# Altium PCB AT91-PCB.PcbDoc (part 1 of 3) (continued)
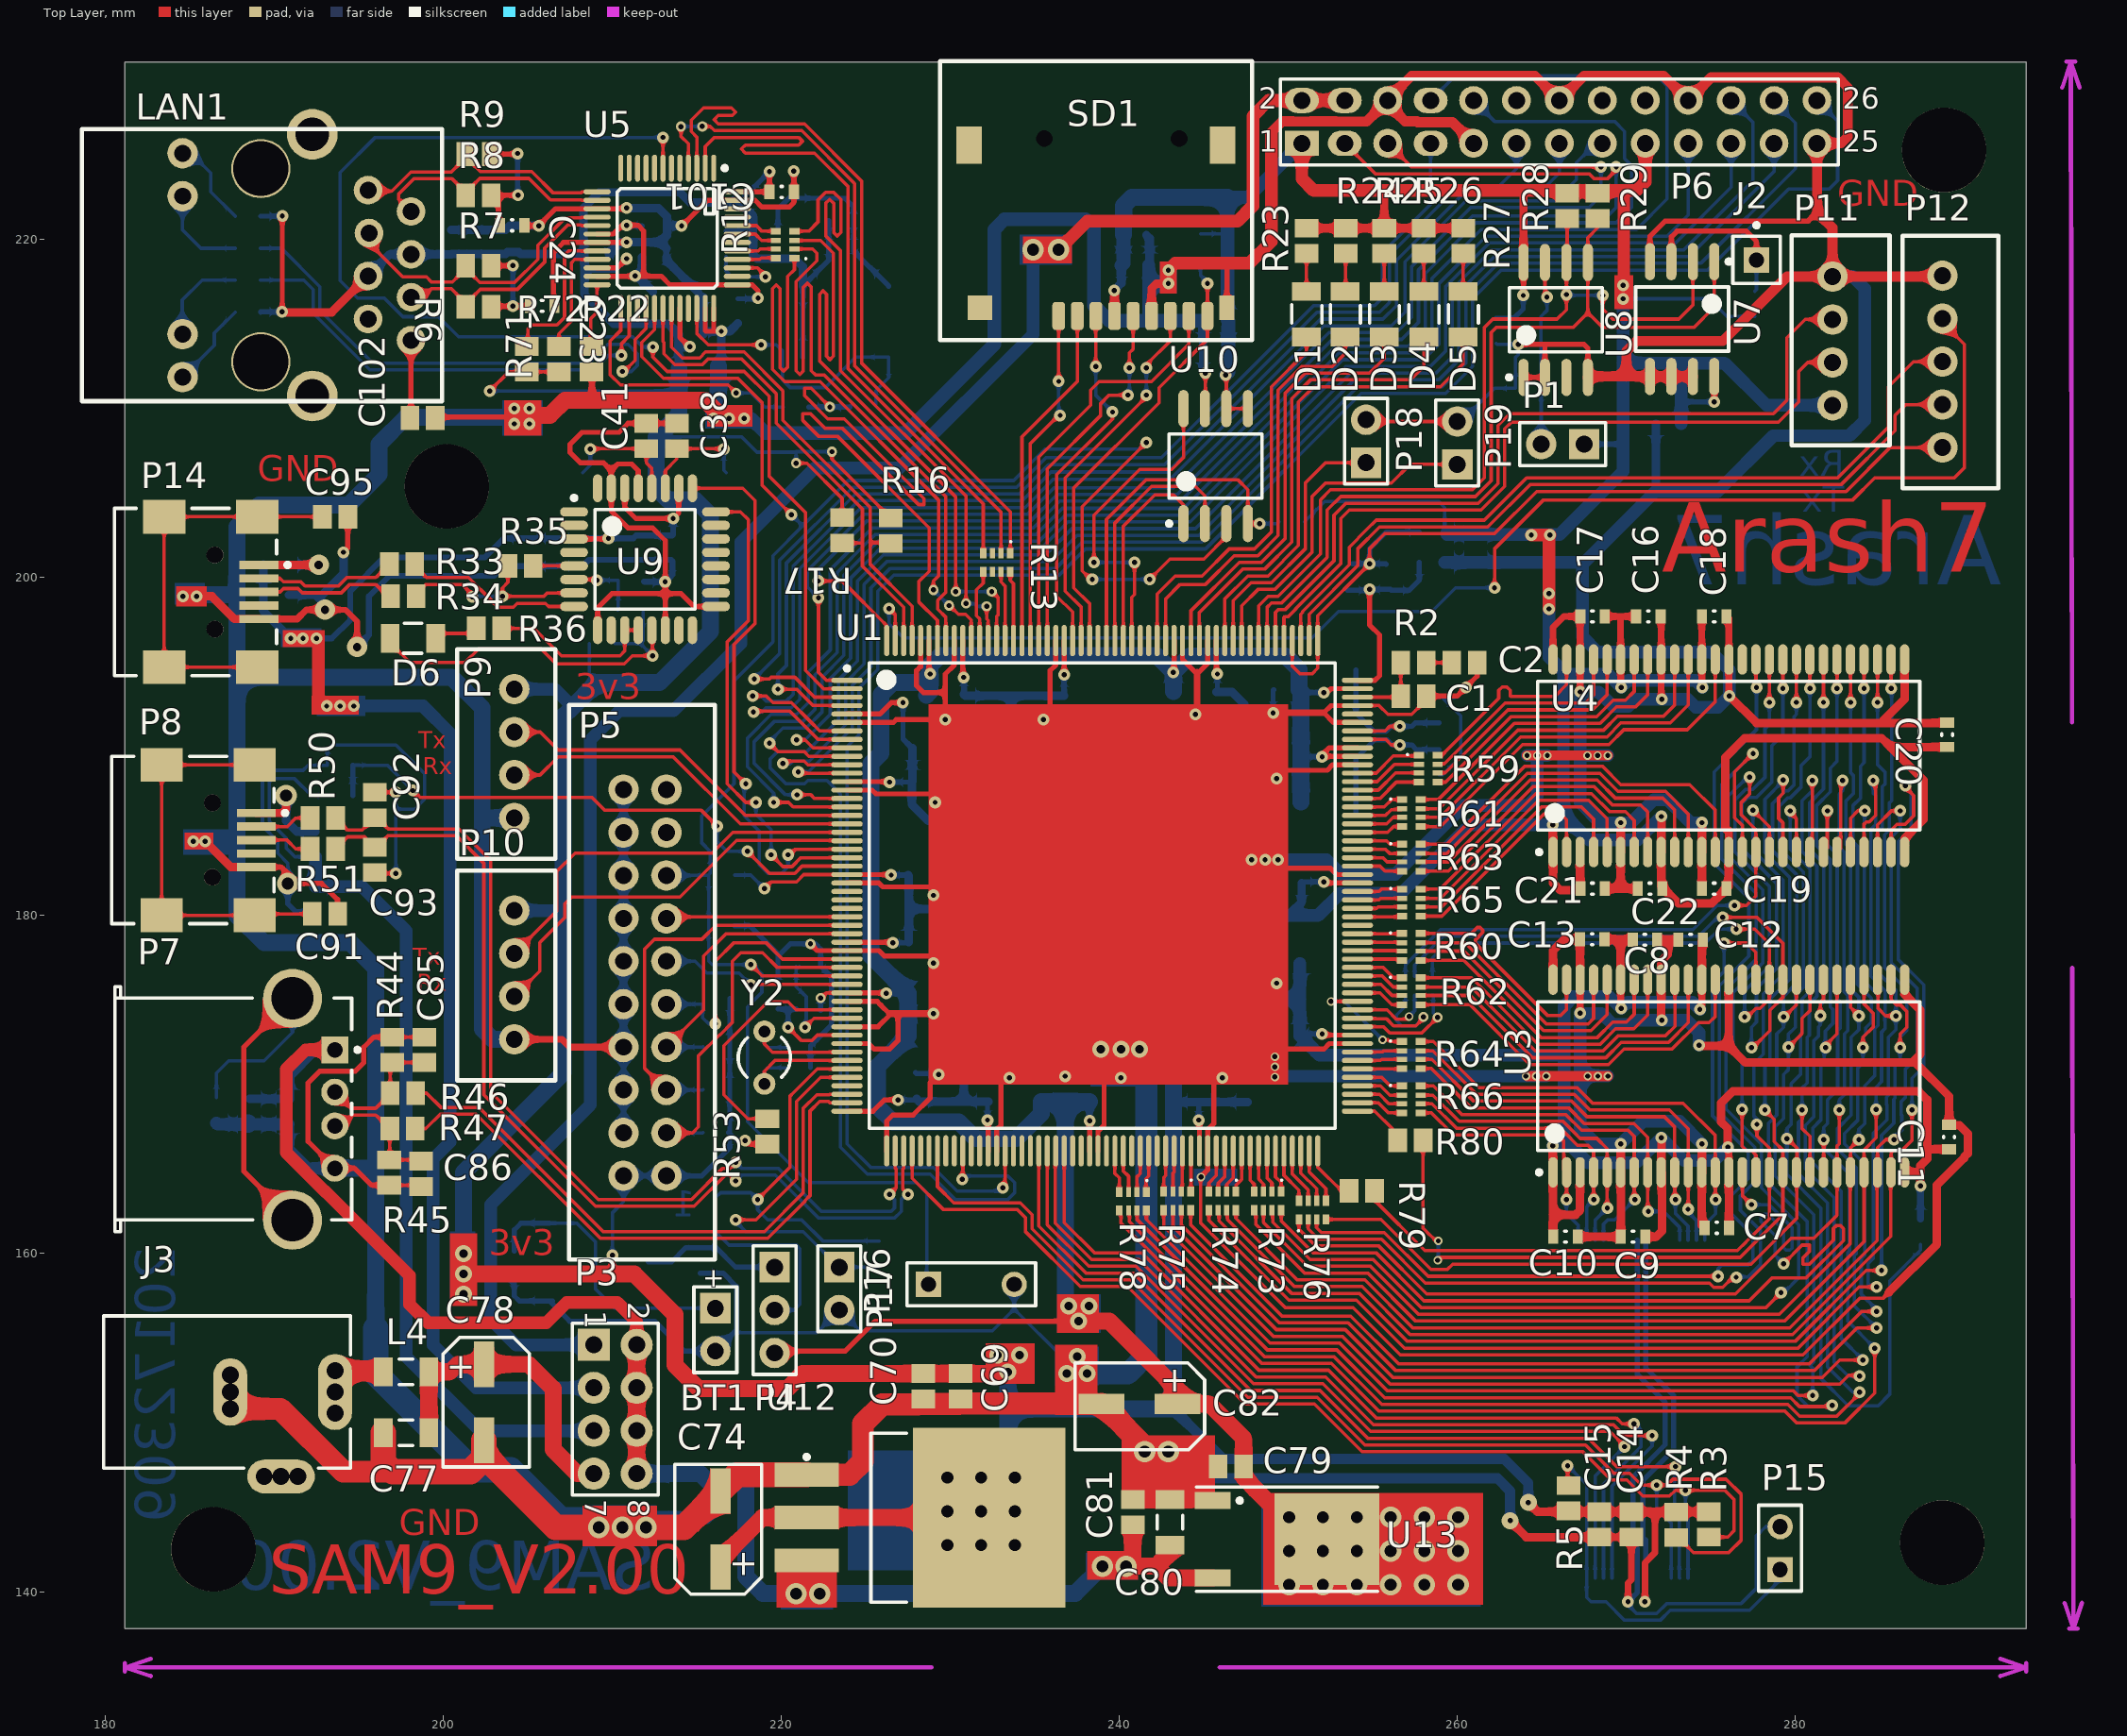
[diagram p0: Top Layer view]
## Footprints (in the part's own frame and the unit in brackets; to place one, negate y for a bottom-side part, rotate by r counter-clockwise, add the part's x,y. Pads: shape width x height; smd on the part's side, far side on the other; paste and mask are expansions set on the pad) (continued)
  silkscreen extent -4.95,-2.88 27.87,5.75, body extent -4.9,-2.8 27.8,5.7, height 8.5
LF33-TO-252 [mm]
  rect 1x2.1 smd: 1(-2.285,-3.375) 3(2.285,-3.375)
  rect 5.4x6.2 smd: 4(0,3.375)
  silkscreen extent -3.09,-4.32 3.09,6.38, body extent -3.3,-3.55 3.28,6.15, height 2.3
LQFP48 [mm] "LQFP, 48-Leads, Body 9.00x9.00mm, Pitch 0.50mm, IPC Medium Density"
  oval 1.6x0.3 smd: 1(-4.15,2.75) 2(-4.15,2.25) 3(-4.15,1.75) 4(-4.15,1.25) 5(-4.15,0.75) 6(-4.15,0.25) 7(-4.15,-0.25) 8(-4.15,-0.75) 9(-4.15,-1.25) 10(-4.15,-1.75) 11(-4.15,-2.25) 12(-4.15,-2.75) 25(4.15,-2.75) 26(4.15,-2.25) 27(4.15,-1.75) 28(4.15,-1.25) 29(4.15,-0.75) 30(4.15,-0.25) 31(4.15,0.25) 32(4.15,0.75) 33(4.15,1.25) 34(4.15,1.75) 35(4.15,2.25) 36(4.15,2.75)
  oval 0.3x1.6 smd: 13(-2.75,-4.15) 14(-2.25,-4.15) 15(-1.75,-4.15) 16(-1.25,-4.15) 17(-0.75,-4.15) 18(-0.25,-4.15) 19(0.25,-4.15) 20(0.75,-4.15) 21(1.25,-4.15) 22(1.75,-4.15) 23(2.25,-4.15) 24(2.75,-4.15) 37(2.75,4.15) 38(2.25,4.15) 39(1.75,4.15) 40(1.25,4.15) 41(0.75,4.15) 42(0.25,4.15) 43(-0.25,4.15) 44(-0.75,4.15) 45(-1.25,4.15) 46(-1.75,4.15) 47(-2.25,4.15) 48(-2.75,4.15)
  silkscreen extent -4.27,-2.95 2.95,3.52, body extent -4.5,-4.5 4.5,4.5, height 1.6
LQFP-32_N [mm] "Thin QFP, 32-Leads, Body 7x7mm, Pitch 0.8mm, IPC Medium Density"
  oval 1.65x0.55 smd: 1(-4.2,2.8) 2(-4.2,2) 3(-4.2,1.2) 4(-4.2,0.4) 5(-4.2,-0.4) 6(-4.2,-1.2) 7(-4.2,-2) 8(-4.2,-2.8) 17(4.2,-2.8) 18(4.2,-2) 19(4.2,-1.2) 20(4.2,-0.4) 21(4.2,0.4) 22(4.2,1.2) 23(4.2,2) 24(4.2,2.8)
  oval 0.55x1.65 smd: 9(-2.8,-4.2) 10(-2,-4.2) 11(-1.2,-4.2) 12(-0.4,-4.2) 13(0.4,-4.2) 14(1.2,-4.2) 15(2,-4.2) 16(2.8,-4.2) 25(2.8,4.2) 26(2,4.2) 27(1.2,4.2) 28(0.4,4.2) 29(-0.4,4.2) 30(-1.2,4.2) 31(-2,4.2) 32(-2.8,4.2)
  silkscreen extent -4.32,-2.95 2.95,3.75, body extent -3.5,-3.5 3.5,3.5, height 1.2
"MicroSD socket" [mm]
  round 0 hole 1: 1(-4.93,0) 1(3.05,0)
  rrect50% 0.75x1.65 smd: 1(2.2,10.5) 2(1.1,10.5) 3(0,10.5) 4(-1.1,10.5) 5(-2.2,10.5) 6(-3.3,10.5) 7(-4.4,10.5) 8(-5.5,10.5)
  rrect50% 0.7x1.65 smd: 9(-6.6,10.5)
  rect 0.9x1.45 smd: 10(-7.75,10)
  rect 1.5x2.2 smd: 11(-7.5,0.4) 12(7.5,0.4)
  rect 1.45x1.45 smd: 13(6.85,10)
  silkscreen extent -9.25,-4.57 9.23,11.93, body extent -8.02,-4.1 7.98,11.15, height 1.95
"Mini USB" [mm]
  rect 2.3x0.5 smd: 1(-3.362,-1.387) 2(-3.362,-0.587) 3(-3.362,0.213) 4(-3.362,1.013) 5(-3.362,1.813)
  rect 2.5x2 smd: 6(-3.262,4.663) 7(2.238,4.663) 8(-3.262,-4.237) 9(2.238,-4.237)
  round 1 hole 1 unplated: MH1(-0.762,2.413) MH2(-0.762,-1.987)
  silkscreen extent -5.19,-4.74 5.19,5.16, body extent -4.13,-4.85 5.12,5.05, height 3.93
PIN1 [mm] "Connector; Plug"
  rect 1.5x1.5 hole 0.9: 1(0,0)
  silkscreen extent -1.4,-1.4 1.4,2.17
R38 [mm] "Crystal, Thru-Hole; 2 Leads; Body 3.1 x 8.2 mm (Dia.xH)"
  round 1.3 hole 0.7: 1(0,1.55) 2(0,-1.55)
  silkscreen extent -1.55,-1.19 1.55,1.17
RJ45 [mm] "In PCB LAN connector"
  round 1.7 hole 1: 1(-4.264,-3.981) 2(-6.804,-2.721) 3(-4.318,-1.441) 4(-6.804,-0.181) 5(-4.264,1.099) 6(-6.804,2.359) 7(-4.264,3.639) 8(-6.804,4.899)
  round 3.5 hole 3.25: 3.25(2.086,6.174) 3.25(2.086,-5.256)
  round 1.8 hole 1: 9(6.716,-6.166) 10(6.716,-3.626) 11(6.716,4.544) 12(6.716,7.084)
  round 3 hole 2: 13(-0.964,8.204) 13(-0.964,-7.286)
  silkscreen extent -8.64,-7.59 12.66,8.51, body extent -8.39,-7.55 12.94,8.45, height 14.72
SMD_Crystal [mm]
  rect 4.5x1.5 smd: 1(-4.25,0) 2(4.25,0)
  silkscreen extent -5.75,-2.5 5.75,2.5, body extent -6.25,-2.4 6.25,2.4, height 4
SMD_LED_1206 [mm] "Chip Capacitor, 2-Leads, Body 1.00x0.50mm, IPC Medium Density"
  rect 1.1x1.7 smd: 1(-1.35,0) 2(1.35,0)
  silkscreen extent -0.55,-0.87 0.53,0.9, body extent -1.6,-0.8 1.6,0.8, height 1.1
SOT223 [mm] "SOT223, 4-Leads, Body 6.50x7.00mm (avg), Pitch 2.30mm, IPC Medium Density"
  rect 2.15x1 smd: 1(-2.925,2.3) 2(-2.925,0) 3(-2.925,-2.3)
  rect 2.15x3.25 smd: 4(2.925,0)
  silkscreen extent -3.05,-3.35 1.55,3.47, body extent -3.45,-3.17 3.51,3.33, height 1.7
SQFP50P3122X3122X245-208N [mm] "SQFP, 208-Leads, Body 28.00x28.00mm, Pitch 0.50mm, IPC Medium Density"
  oval 1.85x0.3 smd: 1(-15.1,12.75) 2(-15.1,12.25) 3(-15.1,11.75) 4(-15.1,11.25) 5(-15.1,10.75) 6(-15.1,10.25) 7(-15.1,9.75) 8(-15.1,9.25) 9(-15.1,8.75) 10(-15.1,8.25) 11(-15.1,7.75) 12(-15.1,7.25) 13(-15.1,6.75) 14(-15.1,6.25) 15(-15.1,5.75) 16(-15.1,5.25) 17(-15.1,4.75) 18(-15.1,4.25) 19(-15.1,3.75) 20(-15.1,3.25) 21(-15.1,2.75) 22(-15.1,2.25) 23(-15.1,1.75) 24(-15.1,1.25) 25(-15.1,0.75) 26(-15.1,0.25) 27(-15.1,-0.25) 28(-15.1,-0.75) 29(-15.1,-1.25) 30(-15.1,-1.75) 31(-15.1,-2.25) 32(-15.1,-2.75) 33(-15.1,-3.25) 34(-15.1,-3.75) 35(-15.1,-4.25) 36(-15.1,-4.75) 37(-15.1,-5.25) 38(-15.1,-5.75) 39(-15.1,-6.25) 40(-15.1,-6.75) 41(-15.1,-7.25) 42(-15.1,-7.75) 43(-15.1,-8.25) 44(-15.1,-8.75) 45(-15.1,-9.25) 46(-15.1,-9.75) 47(-15.1,-10.25) 48(-15.1,-10.75) 49(-15.1,-11.25) 50(-15.1,-11.75) 51(-15.1,-12.25) 52(-15.1,-12.75) 105(15.1,-12.75) 106(15.1,-12.25) 107(15.1,-11.75) 108(15.1,-11.25) 109(15.1,-10.75) 110(15.1,-10.25) 111(15.1,-9.75) 112(15.1,-9.25) 113(15.1,-8.75) 114(15.1,-8.25) 115(15.1,-7.75) 116(15.1,-7.25) 117(15.1,-6.75) 118(15.1,-6.25) 119(15.1,-5.75) 120(15.1,-5.25) 121(15.1,-4.75) 122(15.1,-4.25) 123(15.1,-3.75) 124(15.1,-3.25) 125(15.1,-2.75) 126(15.1,-2.25) 127(15.1,-1.75) 128(15.1,-1.25) 129(15.1,-0.75) 130(15.1,-0.25) 131(15.1,0.25) 132(15.1,0.75) 133(15.1,1.25) 134(15.1,1.75) 135(15.1,2.25) 136(15.1,2.75) 137(15.1,3.25) 138(15.1,3.75) 139(15.1,4.25) 140(15.1,4.75) 141(15.1,5.25) 142(15.1,5.75) 143(15.1,6.25) 144(15.1,6.75) 145(15.1,7.25) 146(15.1,7.75) 147(15.1,8.25) 148(15.1,8.75) 149(15.1,9.25) 150(15.1,9.75) 151(15.1,10.25) 152(15.1,10.75) 153(15.1,11.25) 154(15.1,11.75) 155(15.1,12.25) 156(15.1,12.75)
  oval 0.3x1.85 smd: 53(-12.75,-15.1) 54(-12.25,-15.1) 55(-11.75,-15.1) 56(-11.25,-15.1) 57(-10.75,-15.1) 58(-10.25,-15.1) 59(-9.75,-15.1) 60(-9.25,-15.1) 61(-8.75,-15.1) 62(-8.25,-15.1) 63(-7.75,-15.1) 64(-7.25,-15.1) 65(-6.75,-15.1) 66(-6.25,-15.1) 67(-5.75,-15.1) 68(-5.25,-15.1) 69(-4.75,-15.1) 70(-4.25,-15.1) 71(-3.75,-15.1) 72(-3.25,-15.1) 73(-2.75,-15.1) 74(-2.25,-15.1) 75(-1.75,-15.1) 76(-1.25,-15.1) 77(-0.75,-15.1) 78(-0.25,-15.1) 79(0.25,-15.1) 80(0.75,-15.1) 81(1.25,-15.1) 82(1.75,-15.1) 83(2.25,-15.1) 84(2.75,-15.1) 85(3.25,-15.1) 86(3.75,-15.1) 87(4.25,-15.1) 88(4.75,-15.1) 89(5.25,-15.1) 90(5.75,-15.1) 91(6.25,-15.1) 92(6.75,-15.1) 93(7.25,-15.1) 94(7.75,-15.1) 95(8.25,-15.1) 96(8.75,-15.1) 97(9.25,-15.1) 98(9.75,-15.1) 99(10.25,-15.1) 100(10.75,-15.1) 101(11.25,-15.1) 102(11.75,-15.1) 103(12.25,-15.1) 104(12.75,-15.1) 157(12.75,15.1) 158(12.25,15.1) 159(11.75,15.1) 160(11.25,15.1) 161(10.75,15.1) 162(10.25,15.1) 163(9.75,15.1) 164(9.25,15.1) 165(8.75,15.1) 166(8.25,15.1) 167(7.75,15.1) 168(7.25,15.1) 169(6.75,15.1) 170(6.25,15.1) 171(5.75,15.1) 172(5.25,15.1) 173(4.75,15.1) 174(4.25,15.1) 175(3.75,15.1) 176(3.25,15.1) 177(2.75,15.1) 178(2.25,15.1) 179(1.75,15.1) 180(1.25,15.1) 181(0.75,15.1) 182(0.25,15.1) 183(-0.25,15.1) 184(-0.75,15.1) 185(-1.25,15.1) 186(-1.75,15.1) 187(-2.25,15.1) 188(-2.75,15.1) 189(-3.25,15.1) 190(-3.75,15.1) 191(-4.25,15.1) 192(-4.75,15.1) 193(-5.25,15.1) 194(-5.75,15.1) 195(-6.25,15.1) 196(-6.75,15.1) 197(-7.25,15.1) 198(-7.75,15.1) 199(-8.25,15.1) 200(-8.75,15.1) 201(-9.25,15.1) 202(-9.75,15.1) 203(-10.25,15.1) 204(-10.75,15.1) 205(-11.25,15.1) 206(-11.75,15.1) 207(-12.25,15.1) 208(-12.75,15.1)
  silkscreen extent -15.22,-13.77 13.77,13.77, body extent -15.3,-15.3 15.3,15.3, height 4.15
SSOP8 [mm]
  oval 2.2x0.6 smd: 1(-3.4,1.905) 2(-3.4,0.635) 3(-3.4,-0.635) 4(-3.4,-1.905) 5(3.4,-1.905) 6(3.4,-0.635) 7(3.4,0.635) 8(3.4,1.905)
  silkscreen extent -3.52,-2.75 1.9,2.88, body extent -4,-2.62 4,2.63, height 2.58
TO263 [mm] "TO, 4-Pads, Body 7.60x8.36mm (max), IPC Medium Density"
  rect 3.8x1.4 smd: 1(-6.45,2.54) 2(-6.45,0) 3(-6.45,-2.54)
  rect 9x10.65 smd: 4(4.35,0)
  silkscreen extent -6.57,-5 -0.55,5, body extent -6.94,-5.16 7.29,5, height 4.87
TSOP54_Pin [mm]
  oval 1.8x0.55 smd: 1(-5.7,10.4) 2(-5.7,9.6) 3(-5.7,8.8) 4(-5.7,8) 5(-5.7,7.2) 6(-5.7,6.4) 7(-5.7,5.6) 8(-5.7,4.8) 9(-5.7,4) 10(-5.7,3.2) 11(-5.7,2.4) 12(-5.7,1.6) 13(-5.7,0.8) 14(-5.7,0) 15(-5.7,-0.8) 16(-5.7,-1.6) 17(-5.7,-2.4) 18(-5.7,-3.2) 19(-5.7,-4) 20(-5.7,-4.8) 21(-5.7,-5.6) 22(-5.7,-6.4) 23(-5.7,-7.2) 24(-5.7,-8) 25(-5.7,-8.8) 26(-5.7,-9.6) 27(-5.7,-10.4) 28(5.7,-10.4) 29(5.7,-9.6) 30(5.7,-8.8) 31(5.7,-8) 32(5.7,-7.2) 33(5.7,-6.4) 34(5.7,-5.6) 35(5.7,-4.8) 36(5.7,-4) 37(5.7,-3.2) 38(5.7,-2.4) 39(5.7,-1.6) 40(5.7,-0.8) 41(5.7,0) 42(5.7,0.8) 43(5.7,1.6) 44(5.7,2.4) 45(5.7,3.2) 46(5.7,4) 47(5.7,4.8) 48(5.7,5.6) 49(5.7,6.4) 50(5.7,7.2) 51(5.7,8) 52(5.7,8.8) 53(5.7,9.6) 54(5.7,10.4)
  silkscreen extent -5.82,-11.3 4.4,11.35, body extent -5.9,-11.13 5.86,11.09, height 1.3
TSSOP-48 [mm] "TSSOP, 48-Leads, Body 12.38x18.40mm, Pitch 0.50mm, IPC Medium Density"
  oval 1.2x0.3 smd: 1(-10,5.75) 2(-10,5.25) 3(-10,4.75) 4(-10,4.25) 5(-10,3.75) 6(-10,3.25) 7(-10,2.75) 8(-10,2.25) 9(-10,1.75) 10(-10,1.25) 11(-10,0.75) 12(-10,0.25) 13(-10,-0.25) 14(-10,-0.75) 15(-10,-1.25) 16(-10,-1.75) 17(-10,-2.25) 18(-10,-2.75) 19(-10,-3.25) 20(-10,-3.75) 21(-10,-4.25) 22(-10,-4.75) 23(-10,-5.25) 24(-10,-5.75) 25(10,-5.75) 26(10,-5.25) 27(10,-4.75) 28(10,-4.25) 29(10,-3.75) 30(10,-3.25) 31(10,-2.75) 32(10,-2.25) 33(10,-1.75) 34(10,-1.25) 35(10,-0.75) 36(10,-0.25) 37(10,0.25) 38(10,0.75) 39(10,1.25) 40(10,1.75) 41(10,2.25) 42(10,2.75) 43(10,3.25) 44(10,3.75) 45(10,4.25) 46(10,4.75) 47(10,5.25) 48(10,5.75)
  silkscreen extent -9.97,-6.2 8.85,6.6, body extent -10.13,-6.05 10.07,6.05, height 1.2
USB_Female [mm]
  rect 1.6x1.6 hole 0.92: 1(-2.9,-3.575)
  round 1.6 hole 0.92: 2(-2.9,-1.075) 3(-2.9,0.925) 4(-2.9,3.425)
  round 3.5 hole 2.5: 5(-0.4,6.5) 6(-0.4,-6.625)
  silkscreen extent -4.38,-7.32 10.1,7.18, body extent -4.13,-7.93 9.57,7.88, height 6.95
XH_4pin [mm]
  round 1.8 hole 1: 1(0,0) 2(2.54,0) 3(5.08,0) 4(7.62,0)
  silkscreen extent -2.37,-3.37 10.05,2.42, body extent -2.4,-3.35 10,2.4, height 7
XH_5pin [mm]
  round 1.8 hole 1: 1(0,0) 2(2.54,0) 3(5.08,0) 4(7.62,0) 5(10.16,0)
  silkscreen extent -2.42,-3.3 12.52,2.35, body extent -2.4,-3.38 12.5,2.38, height 7

## Part data
BT1: "Multicell Battery"
C1 C2 C3 C4 C5 C6 C7 C8 C9 C10 C11 C12 C13 C14 C15 C16 C17 C18 C19 C20 C21 C22 C23 C24 C25 C26 C27 C28 C31 C32 C33 C34 C35 C36 C37 C38 C39 C40 C41 C42 C43 C44 C45 C46 C47 C48 C49 C50 C51 C52 C53 C54 C55 C56 C57 C58 C59 C60 C61 C62 C63 C64 C65 C66 C67 C68 C69 C70 C71 C72 C73 C75 C76 C77 C79 C80 C81 C83 C84 C85 C86 C87 C88 C89 C90 C91 C92 C93 C94 C95 C96 C97 C98 C100 C101 C102: "Capacitor"
C29 C30 C99: "Polarized Capacitor (Surface Mount)"
C74 C78 C82: library part "SMS capacitor"
D1 D2 D3 D4 D5 D6: "Typical INFRARED GaAs LED"
J3: "Low Voltage Power Supply Connector"
L3 L4 L6 L7: library part Inductor, "Inductor"
LAN1: library part Ethernet_RJ45
P1 P15 P16 P18 P19: library part "Header 2", "Header, 2-Pin"
P3: library part "Header 4X2", "Header, 4-Pin, Dual row"
P4 P17: library part "Header 3", "Header, 3-Pin"
P5: library part "Header 10X2", "Header, 10-Pin, Dual row"
P6: library part "Header 13X2", "Header, 13-Pin, Dual row"
P8 P14: library part "Mini USB"
P9 P10 P11: library part "Header 4", "Header, 4-Pin"
P12: library part "Header 5", "Header, 5-Pin"
R1 R2 R3 R4 R5 R6 R7 R8 R9 R10 R11 R13 R14 R16 R17 R22 R23 R24 R25 R26 R27 R28 R29 R30 R31 R32 R33 R34 R35 R36 R39 R40 R41 R42 R43 R44 R45 R46 R47 R48 R49 R50 R51 R58 R67 R69 R70 R71 R72 R79 R80 R81 R82 R83 R84: "Semiconductor Resistor"
R52 R53 R54 R57: "Resistor"
SD1: library part MicroSD_holder
U1: "AT91 ARM Thumb 32-bit Embedded MPU, 210MHz, 32KB ROM, 2x4KB SRAM, EBI, E-MAC, FS USB, 208-Pin PQFP, Industrial Grade (-40°C to 85°C), Pb-Free"
U2: library part K9F2G08U0A
U3 U4: library part K4S561632C
U7: "Digital Temperature Sensor and Thermal Watchdog with Two-Wire Interface, 8 pin MINI SOIC"
U8: library part AT24C01BN-SP25-B, "1Kbit (128 x 8), 2-wire Bus Automotive Serial EEPROM with Write Protect, 2.5V, 8-Pin SOIC, Bulk"
U9: "USB UART Asynchronous Serial Data Transfer Chip, 0 to +70 degC, 32-pin LQFP, Pb-Free"
U10: library part AT24D321, "Atmel serial flash"
Y1 Y2 Y3: "Crystal Oscillator"

## Free pads (board coordinates)
  round 5 hole 5: 0(186.4,142.5) 0(200.2,205.4) 0(288.7,142.9) 0(288.8,225.3)
  round 1.524 hole 1: 3(187.4,151.811) 3(190.4,146.811) 3(193.6,151.811)

## Via types
v1: diameter 0.7, hole 0.3, Top Layer to Bottom Layer, 267 vias
v2: diameter 1.27, hole 0.711, Top Layer to Bottom Layer, 40 vias
v3: diameter 0.5, hole 0.3, Top Layer to Bottom Layer, 21 vias
v4: diameter 0.6, hole 0.3, Top Layer to Bottom Layer, 16 vias
v5: diameter 1, hole 0.5, Top Layer to Bottom Layer, 15 vias
v6: diameter 1.2, hole 0.5, Top Layer to Bottom Layer, 3 vias
v7: diameter 1, hole 0.3, Top Layer to Bottom Layer, 2 vias

## Nets (pads, with @x,y where several pads share a name; then routed paths per layer and width w, separated by ;. In a path a pad name is that pad's centre, name@x,y a point inside that pad or via, vN(x,y) a via of type N, cw(c..) or ccw(c..) an arc to the next point about the centre after c; other vN are vias at no path point)
3V3OUT: C36.2 R31.2 U9.6 | length 4.4
  Top Layer w0.2: U9.6@207.738,199.892 209.058,199.892 v1(209.1,199.85)
  Bottom Layer w0.2: v1(209.1,199.85) 210.35,199.85 210.35,198.1 R31.2@210.325,198.075
A0: R73.8 U3.15 | length 58.2
  Top Layer w0.2: R73.8@249.58,162.57 249.58,161.926 251.456,160.05 255.187,160.05 258.029,157.208 277.258,157.208 278.6,158.55 280.625,158.55 282.85,160.775 282.85,161.475 282.675,161.65 282.416,161.65 282.25,161.484 282.25,160.8 280.825,159.375 280.45,159.375 280.45,159.75 280.825,160.125 280.825,160.5 280.4,160.5 v1(279.3,159.4) ; U3.15@276.864,164.81 276.864,163.436 v1(277.4,162.9)
  Bottom Layer w0.2: v1(277.4,162.9) 278.434,162.9 279.8,161.534 279.8,160.325 279.675,160.2 279.45,160.2 279.3,160.35 279.3,161.4 278.375,162.325 278.175,162.325 277.975,162.125 277.975,161.891 278.8,161.066 278.8,159.9 v1(279.3,159.4)
A1: R73.7 U4.15 | length 76.3
  Top Layer w0.2: R73.7@249.03,162.57 249.08,162.52 249.08,161.861 251.291,159.65 255.022,159.65 257.864,156.808 278.258,156.808 v1(279.15,157.7) ; U4.15@276.864,183.759 276.864,185.336 276.4,185.8 276.4,188.5 v1(277.5,189.6)
  Bottom Layer w0.2: v1(277.5,189.6) 275.636,187.736 275.636,183.364 277.675,181.325 277.675,177.4 275.9,175.625 275.9,168.556 278,166.456 278,163.9 280.2,161.7 280.2,158.575 279.325,157.7 v1(279.15,157.7)
A2: R73.6 U3.23 U4.23 | length 69.1
  Top Layer w0.2: R73.6@248.53,162.57 248.53,161.845 251.125,159.25 254.856,159.25 257.698,156.408 279.055,156.408 283.252,160.604 U3.23@283.252,164.846 ; U3.23@283.264,164.81 283.264,166.255 v1(283.76,166.751) ; U4.23@283.264,183.759 283.264,185.762 283.734,186.233 283.768,186.2 v1(284.099,186.2)
  Bottom Layer w0.2: v1(283.76,166.751) 283.76,167.36 284.1,167.7 284.1,169.925 284.7,170.525 284.7,173.3 284.894,173.494 284.894,175.306 284.075,176.125 284.075,185.675 284.099,185.699 v1(284.099,186.2)
A3: R73.5 U3.24 U4.24 | length 74.2
  Top Layer w0.2: R73.5@247.98,162.57 248.08,162.47 248.08,161.729 250.959,158.85 254.69,158.85 257.532,156.008 279.367,156.008 284.065,160.706 U3.24@284.065,164.77 ; U3.24@284.064,164.81 284.064,166.136 284.776,166.848 v1(284.776,168.529) ; U4.24@284.064,183.759 284.064,185.419 284.194,185.55 284.369,185.55 284.749,185.93 284.749,187.85 v1(284.599,188)
  Bottom Layer w0.2: v1(284.599,188) 284.599,187.25 284.749,187.1 284.749,185.399 284.475,185.125 284.475,176.4 285.3,175.575 285.3,174.341 285.294,174.335 285.294,173.797 285.3,173.791 285.3,173.3 285.1,173.1 285.1,170.175 284.776,169.851 v1(284.776,168.529)
A4: R74.8 U3.25 U4.25 | length 74.1
  Top Layer w0.2: R74.8@246.9,162.57 246.9,162.072 250.522,158.45 254.525,158.45 257.367,155.608 279.661,155.608 284.827,160.774 U3.25@284.827,164.846 ; U3.25@284.864,164.81 284.864,166.264 285.351,166.751 v1(285.843,166.751) ; U4.25@284.864,183.759 284.864,185.381 285.683,186.2 v1(286.2,186.2)
  Bottom Layer w0.2: v1(285.843,166.751) 285.843,166.843 286.3,167.3 286.3,168.18 286.249,168.23 286.249,168.984 286.5,169.235 286.5,170.9 287.2,171.6 287.2,175.7 285.675,177.225 285.675,184.628 286.2,185.153 v1(286.2,186.2)
A5: R74.7 U3.26 U4.26 | length 79.2
  Top Layer w0.2: R74.7@246.35,162.57 246.4,162.52 246.4,162.006 250.356,158.05 254.359,158.05 257.201,155.208 279.826,155.208 285.639,161.021 U3.26@285.639,164.821 ; U3.26@285.664,164.81 285.664,165.964 285.8,166.1 286.3,166.1 286.899,166.699 v1(286.899,168.5) ; U4.26@285.664,183.759 285.664,185.064 286,185.4 286.5,185.4 287,185.9 287,187.1 286.4,187.7 v1(286.5,187.7)
  Bottom Layer w0.2: v1(286.5,187.7) 286.4,187.7 286.85,187.25 286.85,185.15 286.1,184.4 286.1,177.4 287.6,175.9 287.6,171.074 286.9,170.374 v1@286.9,168.5
A6: R74.6 U3.29 U4.29 | length 86.8
  Top Layer w0.2: R74.6@245.85,162.57 245.9,162.52 245.9,161.941 250.191,157.65 254.193,157.65 257.035,154.808 279.992,154.808 284.184,159 v1(285.1,159) ; U3.29@285.664,176.21 285.664,175.036 285.984,174.716 286.213,174.716 286.6,174.33 286.6,173.4 286.2,173 v1(286.2,172.2) ; v1(285.664,193.446) U4.29@285.664,195.159
  Bottom Layer w0.2: v1(285.1,159) 285.1,167 285.826,167.726 285.826,169.127 285.9,169.201 285.9,171.1 286.2,171.4 v1(286.2,172.2) 286.2,172.8 286.6,173.2 286.6,175.6 285.275,176.925 285.275,184.794 285.549,185.068 285.549,186.649 285.7,186.8 285.7,193.41 v1(285.664,193.446)
A7: R74.5 U3.30 U4.30 | length 86.7
  Top Layer w0.2: R74.5@245.3,162.57 245.3,161.975 250.025,157.25 254.027,157.25 256.87,154.408 280.158,154.408 283.775,158.025 v1(284.8,158.025) ; U3.30@284.864,176.21 284.9,176.174 284.9,174.5 285.334,174.066 v1(285.944,174.066) ; v1(284.864,192.62) U4.30@284.864,195.159
  Bottom Layer w0.2: v1(284.8,158.025) 284.475,158.025 284.3,158.2 284.3,159.4 284.6,159.7 284.6,167.1 285.426,167.926 285.426,168.798 285.4,168.824 285.4,169.266 285.5,169.366 285.5,171 285.5,172.8 285.944,173.244 v1(285.944,174.066) 285.944,175.581 284.875,176.65 284.875,184.959 285.149,185.234 285.149,187.63 285.3,187.781 285.3,188.5 284.864,188.936 v1(284.864,192.62)
A8: R75.8 U3.31 U4.31 | length 91.7
  Top Layer w0.2: R75.8@244.225,162.575 244.225,161.7 249.625,156.3 253.7,156.3 256.525,153.475 280.825,153.475 283.925,156.575 v1(284.8,156.575) ; v1(284,172.2) 284,172.8 284.6,173.4 284.6,174.234 284.064,174.771 U3.31@284.064,176.21 ; v1(284.064,193.446) U4.31@284.064,195.159
  Top Layer w0.254: U4.31@283.988,195.083 U4.31@284.064,195.159
  Bottom Layer w0.2: v1(284.064,193.446) 284.064,189.052 283.849,188.837 283.849,186.949 283.4,186.5 283.4,184.379 283.675,184.104 283.675,175.925 284.494,175.106 284.494,173.694 284.16,173.36 284.16,173 284,172.84 v1(284,172.2) 284,171.3 283.7,171 283.7,167.9 282.9,167.1 282.9,166.5 284.1,165.3 284.1,159.9 283.9,159.7 283.9,157.6 284.8,156.7 v1(284.8,156.575)
A9: R75.7 U3.32 U4.32 | length 90.7
  Top Layer w0.2: R75.7@243.675,162.575 243.675,161.684 249.459,155.9 253.534,155.9 256.359,153.075 281.125,153.075 283.65,155.6 v1(284.8,155.6) ; U3.32@283.264,176.21 283.264,174.562 v1(283.76,174.066) ; v1(283.264,192.62) U4.32@283.264,195.159
  Bottom Layer w0.2: v1@283.251,192.633 v1@283.252,192.634 ; v1(283.264,192.62) 283.264,188.455 283.449,188.269 283.449,187.249 283,186.8 283,184.213 283.275,183.938 283.275,175.65 283.76,175.165 v1(283.76,174.066) 283.76,173.26 283.3,172.8 283.3,169.429 283.3,168.2 282.5,167.4 282.5,166.182 283.6,165.082 283.6,160 283.5,159.9 283.5,156.9 v1(284.8,155.6)
A10: R75.6 U3.33 U4.33 | length 94.6
  Top Layer w0.2: R75.6@243.175,162.575 243.175,161.619 249.294,155.5 253.369,155.5 256.194,152.675 281.6,152.675 282.625,153.7 v1(284,153.7) ; v1(281.8,172.2) 281.734,172.2 281.699,172.234 282.464,172.999 U3.33@282.464,176.21 ; v1(282.464,193.446) U4.33@282.464,195.159
  Bottom Layer w0.2: v1(282.464,193.446) 282.464,189.128 282.064,188.728 282.064,187.323 281.249,186.509 281.249,184.146 282.075,183.32 282.075,174.591 282.225,174.441 282.225,173.625 281.775,173.175 281.775,172.31 281.699,172.234 281.734,172.2 v1(281.8,172.2) 281.71,172.2 281.699,172.19 281.7,171.5 281.5,171.3 281.5,167.9 281.027,167.427 281.027,165.373 282.7,163.7 282.7,155 v1(284,153.7)
A11: R75.5 U3.34 U4.34 | length 93.8
  Top Layer w0.2: R75.5@242.625,162.575 242.625,161.603 249.128,155.1 253.203,155.1 256.028,152.275 282.625,152.275 283.15,152.8 283.75,152.8 v1(283.8,152.75) v1@283.8,152.8 ; v1(281.475,174.075) 281.475,174.875 281.664,175.064 U3.34@281.664,176.21 ; v1(281.664,192.62) U4.34@281.664,195.159
  Bottom Layer w0.2: v1(281.664,192.62) 281.664,187.489 280.849,186.674 280.849,183.911 281.3,183.46 281.675,183.085 281.675,174.9 281.475,174.7 v1(281.475,174.075) 281.475,173.525 281.375,173.425 281.375,172.875 281.1,172.6 281.1,168.1 280.586,167.586 280.586,165.014 282.3,163.3 282.3,153.575 283.125,152.75 v1(283.8,152.75)
A13: R78.8 U3.35 U4.35 | length 95.6
  Top Layer w0.2: R78.8@241.6,162.55 241.6,162.025 248.925,154.7 253.037,154.7 255.862,151.875 279.884,151.875 280.159,151.6 v1(281.025,151.6) ; v1(279.594,172.212) 280.4,173.018 280.4,173.919 280.864,174.383 U3.35@280.864,176.21 ; v1(280.864,193.446) U4.35@280.864,195.159
  Bottom Layer w0.2: v1(280.864,193.446) 280.864,189.408 280.328,188.871 280.328,187.59 279.713,186.975 279.555,186.975 279.049,186.469 279.049,184.013 280.475,182.588 280.475,175.75 280,175.275 280,173.4 279.594,172.994 v1(279.594,172.212) 279.594,170.894 279.3,170.6 279.3,168 278.8,167.5 278.8,164.6 281.1,162.3 281.1,153.6 280.875,153.375 281.025,153.225 v1(281.025,151.6)
A14: R78.7 U3.36 U4.36 | length 97.9
  Top Layer w0.2: R78.7@241.05,162.55 241.05,162.009 248.759,154.3 252.872,154.3 255.697,151.475 279.719,151.475 280.244,150.95 282.1,150.95 v1(282.175,151.025) ; v1(279.3,174) 279.35,174 280.064,174.714 U3.36@280.064,176.21 ; v1(280.064,192.62) U4.36@280.064,195.159
  Bottom Layer w0.2: v1(280.064,192.62) 280.064,191.914 279.928,191.778 279.928,187.755 279.547,187.375 279.389,187.375 278.649,186.635 278.649,183.848 280.075,182.422 280.075,176 279.3,175.225 v1(279.3,174) 279.3,173.4 278.9,173 278.9,168.2 278.4,167.7 278.4,164.2 280.7,161.9 280.7,153.9 280.1,153.3 280.1,151.606 280.756,150.95 282.1,150.95 v1(282.175,151.025)
A16: R78.6 U3.20 U4.20 | length 96.5
  Top Layer w0.2: R78.6@240.55,162.55 240.6,162.5 240.6,161.894 248.594,153.9 252.706,153.9 255.531,151.075 279.553,151.075 280.253,150.375 282.45,150.375 283.8,151.725 v1(283.8,151.8) ; v1(280.399,168.5) 280.399,167.401 280.864,166.936 U3.20@280.864,164.81 ; U4.20@280.864,183.759 280.999,183.894 v1(280.999,188)
  Bottom Layer w0.2: v1(280.999,188) 280.999,187.399 280.4,186.8 280.4,183.794 281.275,182.919 281.275,175.225 280.825,174.775 280.825,172.925 280.7,172.8 280.7,170.1 280.399,169.799 v1(280.399,168.5) 280.399,167.999 280.186,167.786 280.186,164.714 281.9,163 281.9,153.3 283.4,151.8 v1(283.8,151.8)
A17: R78.5 U3.21 U4.21 | length 92
  Top Layer w0.2: R78.5@240,162.55 240.1,162.45 240.1,161.809 241.284,160.625 241.303,160.625 248.428,153.5 252.54,153.5 255.365,150.675 279.387,150.675 280.087,149.975 282.925,149.975 284.7,151.75 v1(284.7,154.4) ; U3.21@281.664,164.81 281.677,164.824 v1(281.677,166.751) ; U4.21@281.664,183.759 281.652,183.77 281.889,184.007 281.889,186.189 v1(281.899,186.2)
  Bottom Layer w0.2: v1(281.899,186.2) 281.899,184.182 282.475,183.607 282.475,175.075 282.65,174.9 282.65,173.35 282.5,173.2 282.5,169.7 282.327,169.527 281.9,169.1 281.9,167.7 281.677,167.477 v1(281.677,166.751) 281.7,166.728 281.7,166.2 283.2,164.7 283.2,160.166 283.1,160.066 283.1,160 283.1,156 v1(284.7,154.4)
ACT_LED: LAN1.11 R11.2 | length 5.7
  Bottom Layer w0.2: LAN1.11@184.571,214.404 184.55,214.425 184.55,216.425 185.735,217.61 R11.2@187.69,217.61
AD0: P12.2 U1.158 | length 45.3
  Top Layer w0.2: U1.158@251.239,196.278 251.239,197.839 254.1,200.7 254.1,201.7 255.4,203 261.8,203 264.3,205.5 282.7,205.5 285.9,208.7 285.9,209.6 286.54,210.24 P12.2@288.7,210.24
AD1: P12.3 U1.159 | length 47.8
  Top Layer w0.2: U1.159@250.739,196.278 250.739,197.839 250.839,197.939 250.839,198.004 253.6,200.766 253.6,201.8 254.65,202.85 255.2,203.4 261.6,203.4 264.1,205.9 282.5,205.9 285.5,208.9 285.5,211.3 286.98,212.78 P12.3@288.7,212.78
AD_TRIG: P12.4 U1.207 | length 81.8
  Top Layer w0.2: v1(226.375,198.175) 226.739,197.811 U1.207@226.739,196.278 ; v1(262.2,199.4) 262.2,201.7 265.1,204.6 283.4,204.6 284.7,205.9 289.4,205.9 290,206.5 290,213.8 288.7,215.1 P12.4@288.7,215.32
  Bottom Layer w0.2: v1(226.375,198.175) 226.375,197.275 227.225,196.425 251.4,196.425 252.975,198 258.5,198 259.9,199.4 v1(262.2,199.4)
ALE: U1.74 U2.17 | length 53.1
  Top Layer w0.2: U1.74@236.739,166.078 236.739,161.836 238.525,160.05 241.312,160.05 248.262,153.1 252.375,153.1 255.2,150.275 269.4,150.275 269.75,149.925 v1(270.45,149.925)
  Bottom Layer w0.2: U2.17@268.65,140.8 268.65,146.35 270.875,148.575 270.875,149.525 270.475,149.925 v1(270.45,149.925)
BMS: R53.1 U1.40 | length 14.6
  Top Layer w0.2: R53.1@219.17,167.98 218.02,167.98 216.6,169.4 216.6,172.3 219.2,174.9 220.4,174.9 220.872,174.428 U1.40@223.889,174.428
BTN0: P18.1 U1.167 | length 15.2
  Top Layer w0.2: U1.167@246.739,196.278 246.739,198.639 247.8,199.7 249,199.7 251,201.7 251,205.6 252.2,206.8 P18.1@253.9,206.8
BTN1: P19.1 U1.166 | length 19.7
  Top Layer w0.2: U1.166@247.239,196.278 247.239,198.339 248.2,199.3 249.2,199.3 251.4,201.5 251.4,204.8 252.2,205.6 256.1,205.6 257.2,206.7 P19.1@259.5,206.7
CASN: R79.2 U3.17 U4.17 | length 55.6
  Top Layer w0.2: R79.2@255.1,163.725 255.1,163.15 258.075,160.175 276.575,160.175 ; 277.1,160.7 276.575,160.175 ; v1(277.486,186.233) 278.464,185.255 U4.17@278.464,183.759 ; v1(277.725,167.65) 277.725,166.975 278.464,166.236 U3.17@278.464,164.81 278.464,162.064 276.575,160.175
  Bottom Layer w0.2: v1(277.486,186.233) 277.486,183.88 279.275,182.091 279.275,176.544 278.1,175.369 278.1,171.8 277.549,171.249 277.549,168.126 277.725,167.95 v1(277.725,167.65)
CLE: U1.73 U2.16 | length 54.3
  Top Layer w0.2: U1.73@236.239,166.078 236.2,166.04 236.2,161.809 238.359,159.65 241.147,159.65 248.097,152.7 252.209,152.7 255.034,149.875 269.234,149.875 269.884,149.225 v1(271.525,149.225)
  Bottom Layer w0.2: U2.16@269.15,140.8 269.15,146.25 271.55,148.65 271.525,148.675 v1(271.525,149.225)
D0: R66.5 U2.29 U3.2 | length 15.4
  Top Layer w0.2: R66.5@257.825,168.325 258.475,168.325 259.775,167.025 265.379,167.025 265.381,167.027 265.919,167.027 266.3,166.646 266.3,164.974 U3.2@266.464,164.81 266.464,163.214 v1(266.45,163.2)
  Bottom Layer w0.2: v1(266.45,163.2) 266.45,162.375 267.15,161.675 U2.29@267.15,160.8
D1: R66.6 U2.30 U3.4 | length 16.9
  Top Layer w0.2: R66.6@257.825,168.875 258.491,168.875 259.941,167.425 265.213,167.425 265.215,167.427 266.085,167.427 266.7,166.812 266.7,166.806 267.106,166.4 267.725,166.4 268.064,166.061 U3.4@268.064,164.81 268.064,163.211 v1(268.075,163.2)
  Bottom Layer w0.2: U2.30@267.65,160.8 267.65,162.775 v1(268.075,163.2)
D2: R66.7 U2.31 U3.5 | length 18.1
  Top Layer w0.2: R66.7@257.825,169.375 258.556,169.375 260.106,167.825 265.048,167.825 265.049,167.827 266.251,167.827 267.1,166.977 267.1,166.972 267.258,166.814 268.261,166.814 268.864,166.211 U3.5@268.864,164.81 268.864,162.711 v1(268.875,162.7)
  Bottom Layer w0.2: U2.31@268.15,160.8 268.15,161.975 v1(268.875,162.7)
D3: R66.8 U2.32 U3.7 | length 21
  Top Layer w0.2: R66.8@257.825,169.925 258.572,169.925 260.272,168.225 264.882,168.225 264.884,168.227 266.416,168.227 267.343,167.3 270.1,167.3 270.464,166.936 U3.7@270.464,164.81 270.464,163.236 v1(270.499,163.2)
  Bottom Layer w0.2: U2.32@268.65,160.8 268.65,161.75 268.9,162 269.3,162 v1(270.499,163.2)
D4: R64.5 U2.41 U3.8 | length 22.5
  Top Layer w0.2: R64.5@257.825,170.95 258.475,170.95 260.8,168.625 264.716,168.625 264.718,168.627 266.582,168.627 267.509,167.7 270.45,167.7 271.264,166.886 U3.8@271.264,164.81 271.264,162.536 v1(271.3,162.5)
  Bottom Layer w0.2: v1(271.3,162.5) 272.209,162.5 273.15,161.559 U2.41@273.15,160.8
D5: R64.6 U2.42 U3.10 | length 23.7
  Top Layer w0.2: R64.6@257.825,171.5 258.491,171.5 260.966,169.025 264.551,169.025 264.552,169.027 266.748,169.027 267.674,168.1 272.25,168.1 272.864,167.486 U3.10@272.864,164.81 272.864,163.236 v1(272.9,163.2)
  Bottom Layer w0.2: v1(272.9,163.2) 272.9,162.375 273.65,161.625 U2.42@273.65,160.8
D6: R64.7 U2.43 U3.11 | length 24.7
  Top Layer w0.2: R64.7@257.825,172 258.556,172 261.131,169.425 264.385,169.425 264.387,169.427 266.913,169.427 267.84,168.5 272.55,168.5 273.664,167.386 U3.11@273.664,164.81 273.664,162.564 273.65,162.577 v1(273.65,162.625)
  Bottom Layer w0.2: v1(273.65,162.625) 273.65,162.45 274.15,161.95 U2.43@274.15,160.8
D7: R64.8 U2.44 U3.13 | length 26.2
  Top Layer w0.2: R64.8@257.825,172.55 258.572,172.55 261.297,169.825 264.219,169.825 264.221,169.827 267.079,169.827 268.006,168.9 273.35,168.9 275.264,166.986 U3.13@275.264,164.81 275.264,163.211 v1(275.275,163.2)
  Bottom Layer w0.2: U2.44@274.65,160.8 274.65,161.725 275.275,162.35 v1(275.275,163.2)
D8: R62.5 U3.42 | length 22.3
  Top Layer w0.2: R62.5@257.825,174.725 260.74,174.725 264.277,171.188 268.951,171.188 269.863,172.1 272.7,172.1 274.275,173.675 274.9,173.675 275.264,174.039 U3.42@275.264,176.21
D9: R62.6 U3.44 | length 20.8
  Top Layer w0.2: R62.6@257.825,175.275 260.756,175.275 264.443,171.588 268.785,171.588 269.697,172.5 272.5,172.5 273.664,173.664 U3.44@273.664,176.21
D10: R62.7 U3.45 | length 20
  Top Layer w0.2: R62.7@257.825,175.775 260.822,175.775 264.609,171.988 268.619,171.988 269.531,172.9 272.325,172.9 272.875,173.45 272.875,176.199 U3.45@272.864,176.21
D11: R62.8 U3.47 | length 17.9
  Top Layer w0.2: R62.8@257.825,176.325 260.837,176.325 264.774,172.388 268.454,172.388 269.366,173.3 270.45,173.3 271.264,174.114 U3.47@271.264,176.21
D12: R60.5 U3.48 | length 17.1
  Top Layer w0.2: R60.5@257.825,177.35 260.378,177.35 264.94,172.788 268.288,172.788 269.2,173.7 270,173.7 270.464,174.164 U3.48@270.464,176.21
D13: R60.6 U3.50 | length 15.5
  Top Layer w0.2: R60.6@257.825,177.9 260.394,177.9 265.106,173.188 267.904,173.188 268.864,174.148 U3.50@268.864,176.21
D14: R60.7 U3.51 | length 14.7
  Top Layer w0.2: R60.7@257.825,178.4 260.459,178.4 265.271,173.588 267.738,173.588 268.064,173.914 U3.51@268.064,176.21
D15: R60.8 U3.53 | length 13.9
  Top Layer w0.2: R60.8@257.825,178.95 260.825,178.95 261.175,179.3 261.35,179.3 261.5,179.15 261.5,179 261.075,178.575 261.075,178.35 265.325,174.1 266.125,174.1 266.464,174.439 U3.53@266.464,176.21
D16: R65.5 U4.2 | length 13.2
  Top Layer w0.2: R65.5@257.83,179.97 259.08,179.97 265.135,186.025 266.125,186.025 266.464,185.686 U4.2@266.464,183.759
D17: R65.6 U4.4 | length 14.9
  Top Layer w0.2: R65.6@257.83,180.52 259.064,180.52 264.969,186.425 267.35,186.425 268.064,185.711 U4.4@268.064,183.759
D18: R65.7 U4.5 | length 15.9
  Top Layer w0.2: R65.7@257.83,181.02 258.998,181.02 264.803,186.825 267.772,186.825 268.864,185.733 U4.5@268.864,183.759
D19: R65.8 U4.7 | length 17.5
  Top Layer w0.2: R65.8@257.83,181.57 258.983,181.57 264.638,187.225 267.937,187.225 269.012,186.15 269.944,186.15 270.464,185.631 U4.7@270.464,183.759
D20: R63.5 U4.8 | length 18.5
  Top Layer w0.2: R63.5@257.83,182.63 259.477,182.63 264.472,187.625 268.103,187.625 269.178,186.55 270.85,186.55 271.264,186.136 U4.8@271.264,183.759
D21: R63.6 U4.10 | length 20.3
  Top Layer w0.2: R63.6@257.83,183.18 259.461,183.18 264.306,188.025 268.269,188.025 269.344,186.95 272.15,186.95 272.864,186.236 U4.10@272.864,183.759